# KiCad board SparkFun_Thing_Plus_ESP32-S3_panelized.kicad_pcb (continued)
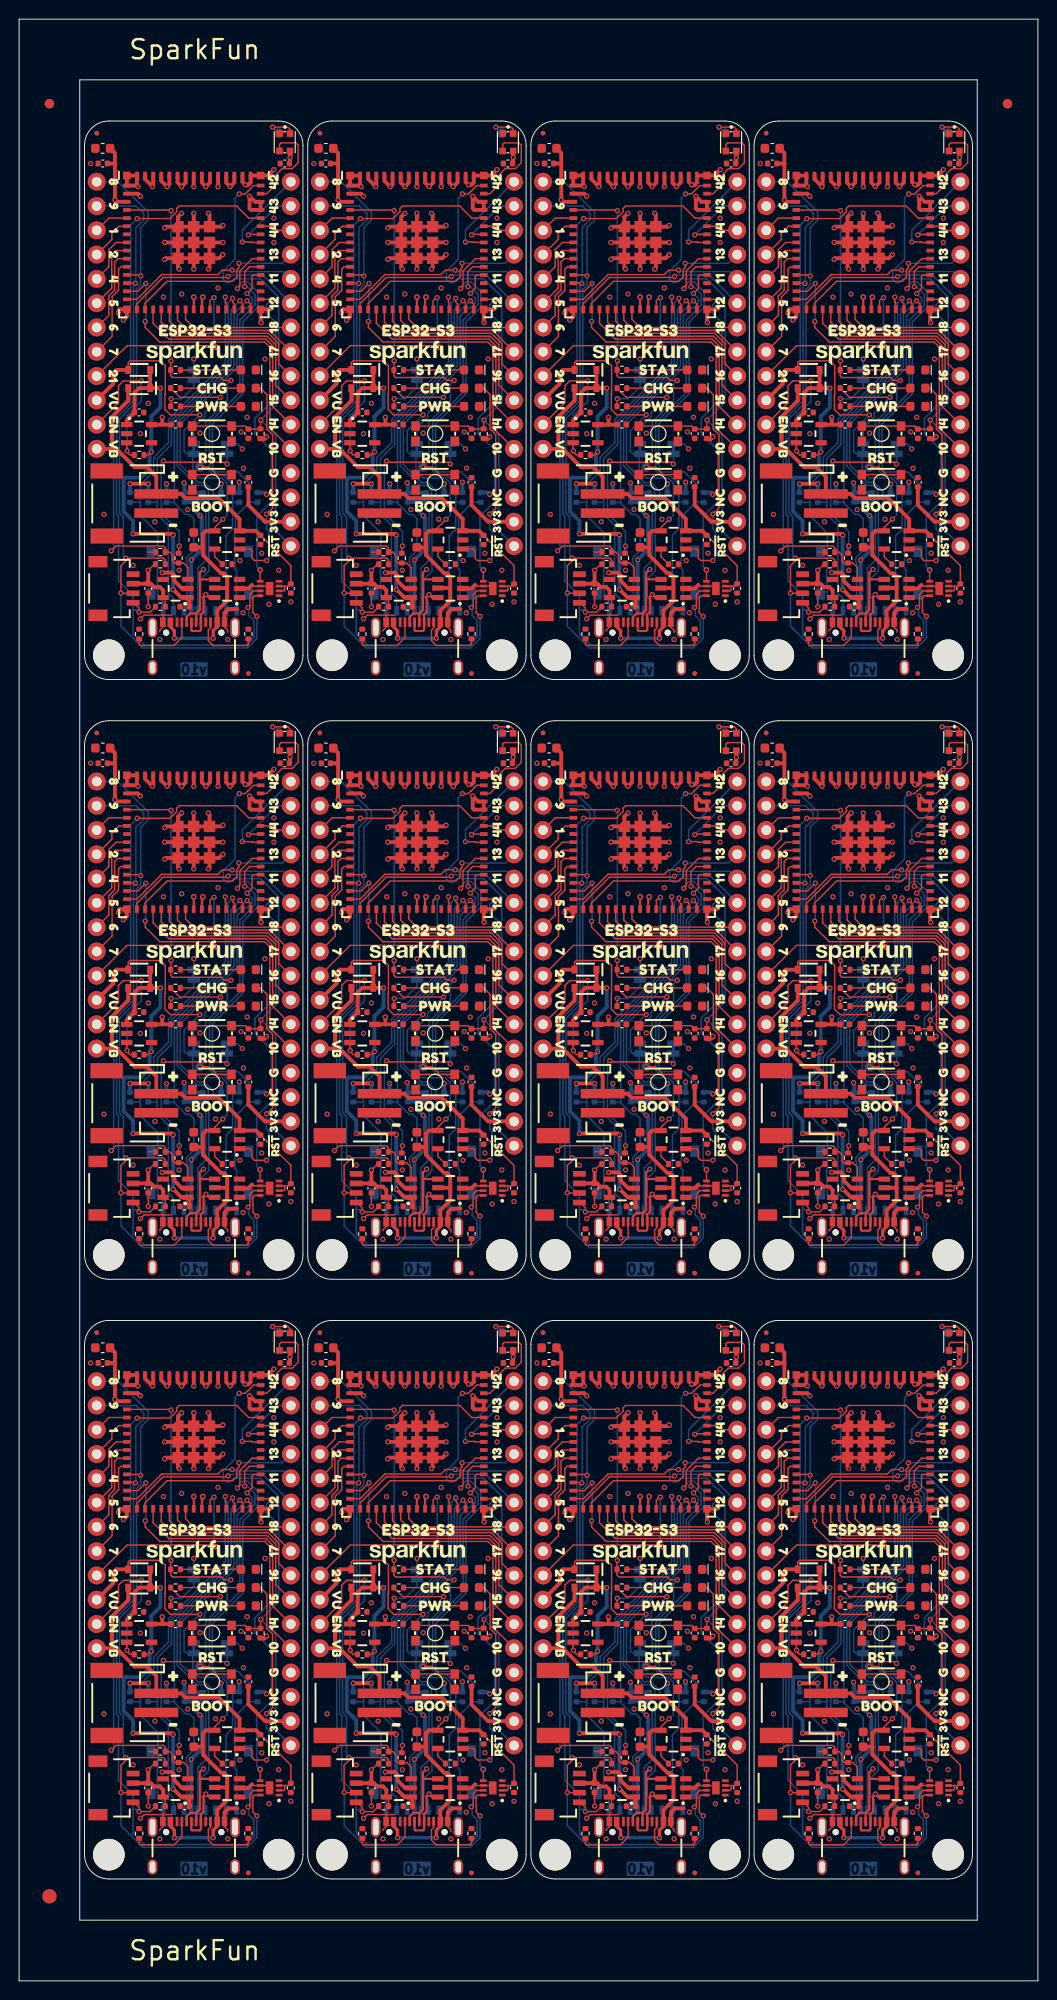
[diagram p0: board, top side]
## Placement (name value [footprint] x y rotation side) (continued)
J1#12  USB_C_Receptacle  [USB-C-16P]  18.28 17.01 0 top
J2  microSD_Friction  [microSD_Friction_Fit_Atom]  18.92 84.57 180 bottom
J2#2  microSD_Friction  [microSD_Friction_Fit_Atom]  18.92 147.3 180 bottom
J2#3  microSD_Friction  [microSD_Friction_Fit_Atom]  42.28 21.84 180 bottom
J2#4  microSD_Friction  [microSD_Friction_Fit_Atom]  89 147.3 180 bottom
J2#5  microSD_Friction  [microSD_Friction_Fit_Atom]  65.63 84.57 180 bottom
J2#6  microSD_Friction  [microSD_Friction_Fit_Atom]  65.63 147.3 180 bottom
J2#7  microSD_Friction  [microSD_Friction_Fit_Atom]  89 21.84 180 bottom
J2#8  microSD_Friction  [microSD_Friction_Fit_Atom]  89 84.57 180 bottom
J2#9  microSD_Friction  [microSD_Friction_Fit_Atom]  42.28 147.3 180 bottom
J2#10  microSD_Friction  [microSD_Friction_Fit_Atom]  42.28 84.57 180 bottom
J2#11  microSD_Friction  [microSD_Friction_Fit_Atom]  65.63 21.84 180 bottom
J2#12  microSD_Friction  [microSD_Friction_Fit_Atom]  18.92 21.84 180 bottom
J3  JST_2mm_LiPo  [JST-2-SMD]  10.66 91.81 90 top
J3#2  JST_2mm_LiPo  [JST-2-SMD]  34.02 91.81 90 top
J3#3  JST_2mm_LiPo  [JST-2-SMD]  10.66 154.53 90 top
J3#4  JST_2mm_LiPo  [JST-2-SMD]  34.02 29.07 90 top
J3#5  JST_2mm_LiPo  [JST-2-SMD]  57.38 29.07 90 top
J3#6  JST_2mm_LiPo  [JST-2-SMD]  80.74 29.07 90 top
J3#7  JST_2mm_LiPo  [JST-2-SMD]  57.38 154.53 90 top
J3#8  JST_2mm_LiPo  [JST-2-SMD]  80.74 154.53 90 top
J3#9  JST_2mm_LiPo  [JST-2-SMD]  34.02 154.53 90 top
J3#10  JST_2mm_LiPo  [JST-2-SMD]  80.74 91.81 90 top
J3#11  JST_2mm_LiPo  [JST-2-SMD]  57.38 91.81 90 top
J3#12  JST_2mm_LiPo  [JST-2-SMD]  10.66 29.07 90 top
J4  Qwiic_Vertical  [JST04_1MM_RA]  11.93 145.65 270 top
J4#2  Qwiic_Vertical  [JST04_1MM_RA]  35.29 82.92 270 top
J4#3  Qwiic_Vertical  [JST04_1MM_RA]  58.65 82.92 270 top
J4#4  Qwiic_Vertical  [JST04_1MM_RA]  82.01 145.65 270 top
J4#5  Qwiic_Vertical  [JST04_1MM_RA]  11.93 82.92 270 top
J4#6  Qwiic_Vertical  [JST04_1MM_RA]  35.29 20.19 270 top
J4#7  Qwiic_Vertical  [JST04_1MM_RA]  35.29 145.65 270 top
J4#8  Qwiic_Vertical  [JST04_1MM_RA]  58.65 20.19 270 top
J4#9  Qwiic_Vertical  [JST04_1MM_RA]  58.65 145.65 270 top
J4#10  Qwiic_Vertical  [JST04_1MM_RA]  82.01 82.92 270 top
J4#11  Qwiic_Vertical  [JST04_1MM_RA]  82.01 20.19 270 top
J4#12  Qwiic_Vertical  [JST04_1MM_RA]  11.93 20.19 270 top
JP1  PWR  [SMT-JUMPER_2_NC_TRACE_SILK]  18.28 167.98 90 bottom
JP1#2  PWR  [SMT-JUMPER_2_NC_TRACE_SILK]  41.64 105.25 90 bottom
JP1#3  PWR  [SMT-JUMPER_2_NC_TRACE_SILK]  18.28 105.25 90 bottom
JP1#4  PWR  [SMT-JUMPER_2_NC_TRACE_SILK]  41.64 42.52 90 bottom
JP1#5  PWR  [SMT-JUMPER_2_NC_TRACE_SILK]  65 42.52 90 bottom
JP1#6  PWR  [SMT-JUMPER_2_NC_TRACE_SILK]  65 105.25 90 bottom
JP1#7  PWR  [SMT-JUMPER_2_NC_TRACE_SILK]  65 167.98 90 bottom
JP1#8  PWR  [SMT-JUMPER_2_NC_TRACE_SILK]  88.36 167.98 90 bottom
JP1#9  PWR  [SMT-JUMPER_2_NC_TRACE_SILK]  88.36 42.52 90 bottom
JP1#10  PWR  [SMT-JUMPER_2_NC_TRACE_SILK]  41.64 167.98 90 bottom
JP1#11  PWR  [SMT-JUMPER_2_NC_TRACE_SILK]  88.36 105.25 90 bottom
JP1#12  PWR  [SMT-JUMPER_2_NC_TRACE_SILK]  18.28 42.52 90 bottom
JP2  LP_CTL  [SMT-JUMPER_2_NC_TRACE_SILK]  45.13 97.52 90 bottom
JP2#2  LP_CTL  [SMT-JUMPER_2_NC_TRACE_SILK]  21.77 160.25 90 bottom
JP2#3  LP_CTL  [SMT-JUMPER_2_NC_TRACE_SILK]  45.13 34.79 90 bottom
JP2#4  LP_CTL  [SMT-JUMPER_2_NC_TRACE_SILK]  21.77 97.52 90 bottom
JP2#5  LP_CTL  [SMT-JUMPER_2_NC_TRACE_SILK]  91.85 97.52 90 bottom
JP2#6  LP_CTL  [SMT-JUMPER_2_NC_TRACE_SILK]  68.49 34.79 90 bottom
JP2#7  LP_CTL  [SMT-JUMPER_2_NC_TRACE_SILK]  45.13 160.25 90 bottom
JP2#8  LP_CTL  [SMT-JUMPER_2_NC_TRACE_SILK]  68.49 160.25 90 bottom
JP2#9  LP_CTL  [SMT-JUMPER_2_NC_TRACE_SILK]  68.49 97.52 90 bottom
JP2#10  LP_CTL  [SMT-JUMPER_2_NC_TRACE_SILK]  91.85 34.79 90 bottom
JP2#11  LP_CTL  [SMT-JUMPER_2_NC_TRACE_SILK]  91.85 160.25 90 bottom
JP2#12  LP_CTL  [SMT-JUMPER_2_NC_TRACE_SILK]  21.77 34.79 90 bottom
JP3  CHG  [SMT-JUMPER_2_NC_TRACE_SILK]  41.64 34.79 270 bottom
JP3#2  CHG  [SMT-JUMPER_2_NC_TRACE_SILK]  88.36 97.52 270 bottom
JP3#3  CHG  [SMT-JUMPER_2_NC_TRACE_SILK]  65 97.52 270 bottom
JP3#4  CHG  [SMT-JUMPER_2_NC_TRACE_SILK]  18.28 160.25 270 bottom
JP3#5  CHG  [SMT-JUMPER_2_NC_TRACE_SILK]  65 34.79 270 bottom
JP3#6  CHG  [SMT-JUMPER_2_NC_TRACE_SILK]  18.28 97.52 270 bottom
JP3#7  CHG  [SMT-JUMPER_2_NC_TRACE_SILK]  41.64 160.25 270 bottom
JP3#8  CHG  [SMT-JUMPER_2_NC_TRACE_SILK]  65 160.25 270 bottom
JP3#9  CHG  [SMT-JUMPER_2_NC_TRACE_SILK]  88.36 34.79 270 bottom
JP3#10  CHG  [SMT-JUMPER_2_NC_TRACE_SILK]  41.64 97.52 270 bottom
JP3#11  CHG  [SMT-JUMPER_2_NC_TRACE_SILK]  88.36 160.25 270 bottom
JP3#12  CHG  [SMT-JUMPER_2_NC_TRACE_SILK]  18.28 34.79 270 bottom
kibuzzard-65A99A9C  G***  [kibuzzard-65A99A9C]  86.2 94.6 0 top
kibuzzard-65A99A9C#2  G***  [kibuzzard-65A99A9C]  86.2 157.33 0 top
kibuzzard-65A99A9C#3  G***  [kibuzzard-65A99A9C]  62.84 94.6 0 top
kibuzzard-65A99A9C#4  G***  [kibuzzard-65A99A9C]  16.12 157.33 0 top
kibuzzard-65A99A9C#5  G***  [kibuzzard-65A99A9C]  39.48 31.87 0 top
kibuzzard-65A99A9C#6  G***  [kibuzzard-65A99A9C]  39.48 157.33 0 top
kibuzzard-65A99A9C#7  G***  [kibuzzard-65A99A9C]  16.12 94.6 0 top
kibuzzard-65A99A9C#8  G***  [kibuzzard-65A99A9C]  39.48 94.6 0 top
kibuzzard-65A99A9C#9  G***  [kibuzzard-65A99A9C]  62.84 31.87 0 top
kibuzzard-65A99A9C#10  G***  [kibuzzard-65A99A9C]  62.84 157.33 0 top
kibuzzard-65A99A9C#11  G***  [kibuzzard-65A99A9C]  86.2 31.87 0 top
kibuzzard-65A99A9C#12  G***  [kibuzzard-65A99A9C]  16.12 31.87 0 top
kibuzzard-65A99AA3  G***  [kibuzzard-65A99AA3]  39.48 152.25 0 top
kibuzzard-65A99AA3#2  G***  [kibuzzard-65A99AA3]  16.12 152.25 0 top
kibuzzard-65A99AA3#3  G***  [kibuzzard-65A99AA3]  86.2 89.52 0 top
kibuzzard-65A99AA3#4  G***  [kibuzzard-65A99AA3]  86.2 26.79 0 top
kibuzzard-65A99AA3#5  G***  [kibuzzard-65A99AA3]  39.48 89.52 0 top
kibuzzard-65A99AA3#6  G***  [kibuzzard-65A99AA3]  16.12 89.52 0 top
kibuzzard-65A99AA3#7  G***  [kibuzzard-65A99AA3]  39.48 26.79 0 top
kibuzzard-65A99AA3#8  G***  [kibuzzard-65A99AA3]  62.84 26.79 0 top
kibuzzard-65A99AA3#9  G***  [kibuzzard-65A99AA3]  62.84 89.52 0 top
kibuzzard-65A99AA3#10  G***  [kibuzzard-65A99AA3]  62.84 152.25 0 top
kibuzzard-65A99AA3#11  G***  [kibuzzard-65A99AA3]  86.2 152.25 0 top
kibuzzard-65A99AA3#12  G***  [kibuzzard-65A99AA3]  16.12 26.79 0 top
kibuzzard-65A99E72  G***  [kibuzzard-65A99E72]  89 25.65 180 bottom
kibuzzard-65A99E72#2  G***  [kibuzzard-65A99E72]  18.92 88.38 180 bottom
kibuzzard-65A99E72#3  G***  [kibuzzard-65A99E72]  65.63 151.11 180 bottom
kibuzzard-65A99E72#4  G***  [kibuzzard-65A99E72]  89 88.38 180 bottom
kibuzzard-65A99E72#5  G***  [kibuzzard-65A99E72]  42.28 151.11 180 bottom
kibuzzard-65A99E72#6  G***  [kibuzzard-65A99E72]  65.63 25.65 180 bottom
kibuzzard-65A99E72#7  G***  [kibuzzard-65A99E72]  65.63 88.38 180 bottom
kibuzzard-65A99E72#8  G***  [kibuzzard-65A99E72]  18.92 151.11 180 bottom
kibuzzard-65A99E72#9  G***  [kibuzzard-65A99E72]  42.28 88.38 180 bottom
kibuzzard-65A99E72#10  G***  [kibuzzard-65A99E72]  42.28 25.65 180 bottom
kibuzzard-65A99E72#11  G***  [kibuzzard-65A99E72]  89 151.11 180 bottom
kibuzzard-65A99E72#12  G***  [kibuzzard-65A99E72]  18.92 25.65 180 bottom
kibuzzard-65A403E0  G***  [kibuzzard-65A403E0]  18.28 127.37 180 bottom
kibuzzard-65A403E0#2  G***  [kibuzzard-65A403E0]  18.28 190.09 180 bottom
kibuzzard-65A403E0#3  G***  [kibuzzard-65A403E0]  41.64 64.64 180 bottom
kibuzzard-65A403E0#4  G***  [kibuzzard-65A403E0]  41.64 127.37 180 bottom
kibuzzard-65A403E0#5  G***  [kibuzzard-65A403E0]  41.64 190.09 180 bottom
kibuzzard-65A403E0#6  G***  [kibuzzard-65A403E0]  65 127.37 180 bottom
kibuzzard-65A403E0#7  G***  [kibuzzard-65A403E0]  88.36 190.09 180 bottom
kibuzzard-65A403E0#8  G***  [kibuzzard-65A403E0]  65 190.09 180 bottom
kibuzzard-65A403E0#9  G***  [kibuzzard-65A403E0]  88.36 64.64 180 bottom
kibuzzard-65A403E0#10  G***  [kibuzzard-65A403E0]  65 64.64 180 bottom
kibuzzard-65A403E0#11  G***  [kibuzzard-65A403E0]  88.36 127.37 180 bottom
kibuzzard-65A403E0#12  G***  [kibuzzard-65A403E0]  18.28 64.64 180 bottom
kibuzzard-65A992E3  G***  [kibuzzard-65A992E3]  98.52 84.82 270 bottom
kibuzzard-65A992E3#2  G***  [kibuzzard-65A992E3]  98.52 22.09 270 bottom
kibuzzard-65A992E3#3  G***  [kibuzzard-65A992E3]  98.52 147.55 270 bottom
kibuzzard-65A992E3#4  G***  [kibuzzard-65A992E3]  75.16 147.55 270 bottom
kibuzzard-65A992E3#5  G***  [kibuzzard-65A992E3]  75.16 22.09 270 bottom
kibuzzard-65A992E3#6  G***  [kibuzzard-65A992E3]  51.8 147.55 270 bottom
kibuzzard-65A992E3#7  G***  [kibuzzard-65A992E3]  51.8 84.82 270 bottom
kibuzzard-65A992E3#8  G***  [kibuzzard-65A992E3]  28.44 147.55 270 bottom
kibuzzard-65A992E3#9  G***  [kibuzzard-65A992E3]  28.44 84.82 270 bottom
kibuzzard-65A992E3#10  G***  [kibuzzard-65A992E3]  51.8 22.09 270 bottom
kibuzzard-65A992E3#11  G***  [kibuzzard-65A992E3]  75.16 84.82 270 bottom
kibuzzard-65A992E3#12  G***  [kibuzzard-65A992E3]  28.44 22.09 270 bottom
kibuzzard-65A9923A  G***  [kibuzzard-65A9923A]  72.94 125.46 180 bottom
kibuzzard-65A9923A#2  G***  [kibuzzard-65A9923A]  49.58 62.73 180 bottom
kibuzzard-65A9923A#3  G***  [kibuzzard-65A9923A]  49.58 125.46 180 bottom
kibuzzard-65A9923A#4  G***  [kibuzzard-65A9923A]  26.22 188.19 180 bottom
kibuzzard-65A9923A#5  G***  [kibuzzard-65A9923A]  49.58 188.19 180 bottom
kibuzzard-65A9923A#6  G***  [kibuzzard-65A9923A]  26.22 125.46 180 bottom
kibuzzard-65A9923A#7  G***  [kibuzzard-65A9923A]  72.94 62.73 180 bottom
kibuzzard-65A9923A#8  G***  [kibuzzard-65A9923A]  96.3 62.73 180 bottom
kibuzzard-65A9923A#9  G***  [kibuzzard-65A9923A]  72.94 188.19 180 bottom
kibuzzard-65A9923A#10  G***  [kibuzzard-65A9923A]  96.3 125.46 180 bottom
kibuzzard-65A9923A#11  G***  [kibuzzard-65A9923A]  96.3 188.19 180 bottom
kibuzzard-65A9923A#12  G***  [kibuzzard-65A9923A]  26.22 62.73 180 bottom
kibuzzard-65A9926C  G***  [kibuzzard-65A9926C]  94.71 55.11 180 bottom
kibuzzard-65A9926C#2  G***  [kibuzzard-65A9926C]  71.35 117.84 180 bottom
kibuzzard-65A9926C#3  G***  [kibuzzard-65A9926C]  47.99 55.11 180 bottom
kibuzzard-65A9926C#4  G***  [kibuzzard-65A9926C]  71.35 55.11 180 bottom
kibuzzard-65A9926C#5  G***  [kibuzzard-65A9926C]  71.35 180.57 180 bottom
kibuzzard-65A9926C#6  G***  [kibuzzard-65A9926C]  24.63 117.84 180 bottom
kibuzzard-65A9926C#7  G***  [kibuzzard-65A9926C]  94.71 117.84 180 bottom
kibuzzard-65A9926C#8  G***  [kibuzzard-65A9926C]  94.71 180.57 180 bottom
kibuzzard-65A9926C#9  G***  [kibuzzard-65A9926C]  24.63 180.57 180 bottom
kibuzzard-65A9926C#10  G***  [kibuzzard-65A9926C]  47.99 180.57 180 bottom
kibuzzard-65A9926C#11  G***  [kibuzzard-65A9926C]  47.99 117.84 180 bottom
kibuzzard-65A9926C#12  G***  [kibuzzard-65A9926C]  24.63 55.11 180 bottom
kibuzzard-65A9926F  G***  [kibuzzard-65A9926F]  71.48 115.3 180 bottom
kibuzzard-65A9926F#2  G***  [kibuzzard-65A9926F]  94.84 52.57 180 bottom
kibuzzard-65A9926F#3  G***  [kibuzzard-65A9926F]  24.76 115.3 180 bottom
kibuzzard-65A9926F#4  G***  [kibuzzard-65A9926F]  48.12 115.3 180 bottom
kibuzzard-65A9926F#5  G***  [kibuzzard-65A9926F]  48.12 178.03 180 bottom
kibuzzard-65A9926F#6  G***  [kibuzzard-65A9926F]  71.48 52.57 180 bottom
kibuzzard-65A9926F#7  G***  [kibuzzard-65A9926F]  24.76 178.03 180 bottom
kibuzzard-65A9926F#8  G***  [kibuzzard-65A9926F]  48.12 52.57 180 bottom
kibuzzard-65A9926F#9  G***  [kibuzzard-65A9926F]  71.48 178.03 180 bottom
kibuzzard-65A9926F#10  G***  [kibuzzard-65A9926F]  94.84 115.3 180 bottom
kibuzzard-65A9926F#11  G***  [kibuzzard-65A9926F]  94.84 178.03 180 bottom
kibuzzard-65A9926F#12  G***  [kibuzzard-65A9926F]  24.76 52.57 180 bottom
kibuzzard-65A9927C  G***  [kibuzzard-65A9927C]  73.13 44.95 180 bottom
kibuzzard-65A9927C#2  G***  [kibuzzard-65A9927C]  49.77 170.41 180 bottom
kibuzzard-65A9927C#3  G***  [kibuzzard-65A9927C]  26.41 107.68 180 bottom
kibuzzard-65A9927C#4  G***  [kibuzzard-65A9927C]  96.49 170.41 180 bottom
kibuzzard-65A9927C#5  G***  [kibuzzard-65A9927C]  96.49 107.68 180 bottom
kibuzzard-65A9927C#6  G***  [kibuzzard-65A9927C]  49.77 107.68 180 bottom
kibuzzard-65A9927C#7  G***  [kibuzzard-65A9927C]  49.77 44.95 180 bottom
kibuzzard-65A9927C#8  G***  [kibuzzard-65A9927C]  73.13 107.68 180 bottom
kibuzzard-65A9927C#9  G***  [kibuzzard-65A9927C]  73.13 170.41 180 bottom
kibuzzard-65A9927C#10  G***  [kibuzzard-65A9927C]  96.49 44.95 180 bottom
kibuzzard-65A9927C#11  G***  [kibuzzard-65A9927C]  26.41 170.41 180 bottom
kibuzzard-65A9927C#12  G***  [kibuzzard-65A9927C]  26.41 44.95 180 bottom
kibuzzard-65A9927F  G***  [kibuzzard-65A9927F]  49.77 42.41 180 bottom
kibuzzard-65A9927F#2  G***  [kibuzzard-65A9927F]  26.41 105.14 180 bottom
kibuzzard-65A9927F#3  G***  [kibuzzard-65A9927F]  26.41 167.87 180 bottom
kibuzzard-65A9927F#4  G***  [kibuzzard-65A9927F]  73.13 167.87 180 bottom
kibuzzard-65A9927F#5  G***  [kibuzzard-65A9927F]  49.77 105.14 180 bottom
kibuzzard-65A9927F#6  G***  [kibuzzard-65A9927F]  49.77 167.87 180 bottom
kibuzzard-65A9927F#7  G***  [kibuzzard-65A9927F]  73.13 42.41 180 bottom
kibuzzard-65A9927F#8  G***  [kibuzzard-65A9927F]  73.13 105.14 180 bottom
kibuzzard-65A9927F#9  G***  [kibuzzard-65A9927F]  96.49 42.41 180 bottom
kibuzzard-65A9927F#10  G***  [kibuzzard-65A9927F]  96.49 167.87 180 bottom
kibuzzard-65A9927F#11  G***  [kibuzzard-65A9927F]  96.49 105.14 180 bottom
kibuzzard-65A9927F#12  G***  [kibuzzard-65A9927F]  26.41 42.41 180 bottom
kibuzzard-65A9928A  G***  [kibuzzard-65A9928A]  26.28 160.25 180 bottom
kibuzzard-65A9928A#2  G***  [kibuzzard-65A9928A]  49.64 34.79 180 bottom
kibuzzard-65A9928A#3  G***  [kibuzzard-65A9928A]  49.64 160.25 180 bottom
kibuzzard-65A9928A#4  G***  [kibuzzard-65A9928A]  26.28 97.52 180 bottom
kibuzzard-65A9928A#5  G***  [kibuzzard-65A9928A]  49.64 97.52 180 bottom
kibuzzard-65A9928A#6  G***  [kibuzzard-65A9928A]  73 160.25 180 bottom
kibuzzard-65A9928A#7  G***  [kibuzzard-65A9928A]  73 97.52 180 bottom
kibuzzard-65A9928A#8  G***  [kibuzzard-65A9928A]  96.36 34.79 180 bottom
kibuzzard-65A9928A#9  G***  [kibuzzard-65A9928A]  96.36 160.25 180 bottom
kibuzzard-65A9928A#10  G***  [kibuzzard-65A9928A]  73 34.79 180 bottom
kibuzzard-65A9928A#11  G***  [kibuzzard-65A9928A]  96.36 97.52 180 bottom
kibuzzard-65A9928A#12  G***  [kibuzzard-65A9928A]  26.28 34.79 180 bottom
kibuzzard-65A9928E  G***  [kibuzzard-65A9928E]  49.39 32.25 180 bottom
kibuzzard-65A9928E#2  G***  [kibuzzard-65A9928E]  49.39 157.71 180 bottom
kibuzzard-65A9928E#3  G***  [kibuzzard-65A9928E]  96.11 94.98 180 bottom
kibuzzard-65A9928E#4  G***  [kibuzzard-65A9928E]  26.03 94.98 180 bottom
kibuzzard-65A9928E#5  G***  [kibuzzard-65A9928E]  26.03 157.71 180 bottom
kibuzzard-65A9928E#6  G***  [kibuzzard-65A9928E]  49.39 94.98 180 bottom
kibuzzard-65A9928E#7  G***  [kibuzzard-65A9928E]  72.75 32.25 180 bottom
kibuzzard-65A9928E#8  G***  [kibuzzard-65A9928E]  72.75 94.98 180 bottom
kibuzzard-65A9928E#9  G***  [kibuzzard-65A9928E]  72.75 157.71 180 bottom
kibuzzard-65A9928E#10  G***  [kibuzzard-65A9928E]  96.11 32.25 180 bottom
kibuzzard-65A9928E#11  G***  [kibuzzard-65A9928E]  96.11 157.71 180 bottom
kibuzzard-65A9928E#12  G***  [kibuzzard-65A9928E]  26.03 32.25 180 bottom
kibuzzard-65A9933C  G***  [kibuzzard-65A9933C]  81.5 60.19 180 bottom
kibuzzard-65A9933C#2  G***  [kibuzzard-65A9933C]  11.42 185.65 180 bottom
kibuzzard-65A9933C#3  G***  [kibuzzard-65A9933C]  34.78 185.65 180 bottom
kibuzzard-65A9933C#4  G***  [kibuzzard-65A9933C]  58.14 122.92 180 bottom
kibuzzard-65A9933C#5  G***  [kibuzzard-65A9933C]  58.14 60.19 180 bottom
kibuzzard-65A9933C#6  G***  [kibuzzard-65A9933C]  34.78 60.19 180 bottom
kibuzzard-65A9933C#7  G***  [kibuzzard-65A9933C]  11.42 122.92 180 bottom
kibuzzard-65A9933C#8  G***  [kibuzzard-65A9933C]  34.78 122.92 180 bottom
kibuzzard-65A9933C#9  G***  [kibuzzard-65A9933C]  58.14 185.65 180 bottom
kibuzzard-65A9933C#10  G***  [kibuzzard-65A9933C]  81.5 122.92 180 bottom
kibuzzard-65A9933C#11  G***  [kibuzzard-65A9933C]  81.5 185.65 180 bottom
kibuzzard-65A9933C#12  G***  [kibuzzard-65A9933C]  11.42 60.19 180 bottom
kibuzzard-65A9934B  G***  [kibuzzard-65A9934B]  79.98 183.11 180 bottom
kibuzzard-65A9934B#2  G***  [kibuzzard-65A9934B]  33.26 183.11 180 bottom
kibuzzard-65A9934B#3  G***  [kibuzzard-65A9934B]  33.26 57.65 180 bottom
kibuzzard-65A9934B#4  G***  [kibuzzard-65A9934B]  56.62 57.65 180 bottom
kibuzzard-65A9934B#5  G***  [kibuzzard-65A9934B]  9.9 120.38 180 bottom
kibuzzard-65A9934B#6  G***  [kibuzzard-65A9934B]  56.62 183.11 180 bottom
kibuzzard-65A9934B#7  G***  [kibuzzard-65A9934B]  33.26 120.38 180 bottom
kibuzzard-65A9934B#8  G***  [kibuzzard-65A9934B]  56.62 120.38 180 bottom
kibuzzard-65A9934B#9  G***  [kibuzzard-65A9934B]  79.98 57.65 180 bottom
kibuzzard-65A9934B#10  G***  [kibuzzard-65A9934B]  9.9 183.11 180 bottom
kibuzzard-65A9934B#11  G***  [kibuzzard-65A9934B]  79.98 120.38 180 bottom
kibuzzard-65A9934B#12  G***  [kibuzzard-65A9934B]  9.9 57.65 180 bottom
kibuzzard-65A9935C  G***  [kibuzzard-65A9935C]  56.75 170.41 180 bottom
kibuzzard-65A9935C#2  G***  [kibuzzard-65A9935C]  33.38 107.68 180 bottom
kibuzzard-65A9935C#3  G***  [kibuzzard-65A9935C]  56.75 107.68 180 bottom
kibuzzard-65A9935C#4  G***  [kibuzzard-65A9935C]  10.03 107.68 180 bottom
kibuzzard-65A9935C#5  G***  [kibuzzard-65A9935C]  33.38 170.41 180 bottom
kibuzzard-65A9935C#6  G***  [kibuzzard-65A9935C]  56.75 44.95 180 bottom
kibuzzard-65A9935C#7  G***  [kibuzzard-65A9935C]  80.1 170.41 180 bottom
kibuzzard-65A9935C#8  G***  [kibuzzard-65A9935C]  10.03 170.41 180 bottom
kibuzzard-65A9935C#9  G***  [kibuzzard-65A9935C]  33.38 44.95 180 bottom
kibuzzard-65A9935C#10  G***  [kibuzzard-65A9935C]  80.1 44.95 180 bottom
kibuzzard-65A9935C#11  G***  [kibuzzard-65A9935C]  80.1 107.68 180 bottom
kibuzzard-65A9935C#12  G***  [kibuzzard-65A9935C]  10.03 44.95 180 bottom
kibuzzard-65A9936B  G***  [kibuzzard-65A9936B]  34.78 34.79 180 bottom
kibuzzard-65A9936B#2  G***  [kibuzzard-65A9936B]  58.14 97.52 180 bottom
kibuzzard-65A9936B#3  G***  [kibuzzard-65A9936B]  34.78 97.52 180 bottom
kibuzzard-65A9936B#4  G***  [kibuzzard-65A9936B]  11.42 97.52 180 bottom
kibuzzard-65A9936B#5  G***  [kibuzzard-65A9936B]  11.42 160.25 180 bottom
kibuzzard-65A9936B#6  G***  [kibuzzard-65A9936B]  34.78 160.25 180 bottom
kibuzzard-65A9936B#7  G***  [kibuzzard-65A9936B]  58.14 34.79 180 bottom
kibuzzard-65A9936B#8  G***  [kibuzzard-65A9936B]  58.14 160.25 180 bottom
kibuzzard-65A9936B#9  G***  [kibuzzard-65A9936B]  81.5 160.25 180 bottom
kibuzzard-65A9936B#10  G***  [kibuzzard-65A9936B]  81.5 34.79 180 bottom
kibuzzard-65A9936B#11  G***  [kibuzzard-65A9936B]  81.5 97.52 180 bottom
kibuzzard-65A9936B#12  G***  [kibuzzard-65A9936B]  11.42 34.79 180 bottom
kibuzzard-65A9990D  G***  [kibuzzard-65A9990D]  9.9 102.6 270 top
kibuzzard-65A9990D#2  G***  [kibuzzard-65A9990D]  33.26 102.6 270 top
kibuzzard-65A9990D#3  G***  [kibuzzard-65A9990D]  79.98 102.6 270 top
kibuzzard-65A9990D#4  G***  [kibuzzard-65A9990D]  9.9 165.33 270 top
kibuzzard-65A9990D#5  G***  [kibuzzard-65A9990D]  56.62 102.6 270 top
kibuzzard-65A9990D#6  G***  [kibuzzard-65A9990D]  33.26 39.87 270 top
kibuzzard-65A9990D#7  G***  [kibuzzard-65A9990D]  56.62 39.87 270 top
kibuzzard-65A9990D#8  G***  [kibuzzard-65A9990D]  79.98 165.33 270 top
kibuzzard-65A9990D#9  G***  [kibuzzard-65A9990D]  33.26 165.33 270 top
kibuzzard-65A9990D#10  G***  [kibuzzard-65A9990D]  56.62 165.33 270 top
kibuzzard-65A9990D#11  G***  [kibuzzard-65A9990D]  79.98 39.87 270 top
kibuzzard-65A9990D#12  G***  [kibuzzard-65A9990D]  9.9 39.87 270 top
kibuzzard-65A99252  G***  [kibuzzard-65A99252]  94.71 185.65 180 bottom
kibuzzard-65A99252#2  G***  [kibuzzard-65A99252]  24.63 122.92 180 bottom
kibuzzard-65A99252#3  G***  [kibuzzard-65A99252]  47.99 122.92 180 bottom
kibuzzard-65A99252#4  G***  [kibuzzard-65A99252]  71.35 60.19 180 bottom
kibuzzard-65A99252#5  G***  [kibuzzard-65A99252]  94.71 60.19 180 bottom
kibuzzard-65A99252#6  G***  [kibuzzard-65A99252]  24.63 185.65 180 bottom
kibuzzard-65A99252#7  G***  [kibuzzard-65A99252]  47.99 185.65 180 bottom
kibuzzard-65A99252#8  G***  [kibuzzard-65A99252]  71.35 185.65 180 bottom
kibuzzard-65A99252#9  G***  [kibuzzard-65A99252]  71.35 122.92 180 bottom
kibuzzard-65A99252#10  G***  [kibuzzard-65A99252]  94.71 122.92 180 bottom
kibuzzard-65A99252#11  G***  [kibuzzard-65A99252]  47.99 60.19 180 bottom
kibuzzard-65A99252#12  G***  [kibuzzard-65A99252]  24.63 60.19 180 bottom
kibuzzard-65A99268  G***  [kibuzzard-65A99268]  71.6 57.65 180 bottom
kibuzzard-65A99268#2  G***  [kibuzzard-65A99268]  24.88 120.38 180 bottom
kibuzzard-65A99268#3  G***  [kibuzzard-65A99268]  48.24 183.11 180 bottom
kibuzzard-65A99268#4  G***  [kibuzzard-65A99268]  71.6 120.38 180 bottom
kibuzzard-65A99268#5  G***  [kibuzzard-65A99268]  24.88 183.11 180 bottom
kibuzzard-65A99268#6  G***  [kibuzzard-65A99268]  48.24 57.65 180 bottom
kibuzzard-65A99268#7  G***  [kibuzzard-65A99268]  48.24 120.38 180 bottom
kibuzzard-65A99268#8  G***  [kibuzzard-65A99268]  94.96 57.65 180 bottom
kibuzzard-65A99268#9  G***  [kibuzzard-65A99268]  94.96 120.38 180 bottom
kibuzzard-65A99268#10  G***  [kibuzzard-65A99268]  94.96 183.11 180 bottom
kibuzzard-65A99268#11  G***  [kibuzzard-65A99268]  71.6 183.11 180 bottom
kibuzzard-65A99268#12  G***  [kibuzzard-65A99268]  24.88 57.65 180 bottom
kibuzzard-65A99274  G***  [kibuzzard-65A99274]  24.88 112.76 180 bottom
kibuzzard-65A99274#2  G***  [kibuzzard-65A99274]  24.88 175.49 180 bottom
kibuzzard-65A99274#3  G***  [kibuzzard-65A99274]  48.24 175.49 180 bottom
kibuzzard-65A99274#4  G***  [kibuzzard-65A99274]  71.6 175.49 180 bottom
kibuzzard-65A99274#5  G***  [kibuzzard-65A99274]  71.6 50.03 180 bottom
kibuzzard-65A99274#6  G***  [kibuzzard-65A99274]  94.96 50.03 180 bottom
kibuzzard-65A99274#7  G***  [kibuzzard-65A99274]  94.96 112.76 180 bottom
kibuzzard-65A99274#8  G***  [kibuzzard-65A99274]  48.24 50.03 180 bottom
kibuzzard-65A99274#9  G***  [kibuzzard-65A99274]  48.24 112.76 180 bottom
kibuzzard-65A99274#10  G***  [kibuzzard-65A99274]  71.6 112.76 180 bottom
kibuzzard-65A99274#11  G***  [kibuzzard-65A99274]  94.96 175.49 180 bottom
kibuzzard-65A99274#12  G***  [kibuzzard-65A99274]  24.88 50.03 180 bottom
kibuzzard-65A99278  G***  [kibuzzard-65A99278]  96.49 110.22 180 bottom
kibuzzard-65A99278#2  G***  [kibuzzard-65A99278]  26.41 110.22 180 bottom
kibuzzard-65A99278#3  G***  [kibuzzard-65A99278]  26.41 172.95 180 bottom
kibuzzard-65A99278#4  G***  [kibuzzard-65A99278]  49.77 110.22 180 bottom
kibuzzard-65A99278#5  G***  [kibuzzard-65A99278]  73.13 110.22 180 bottom
kibuzzard-65A99278#6  G***  [kibuzzard-65A99278]  73.13 47.49 180 bottom
kibuzzard-65A99278#7  G***  [kibuzzard-65A99278]  96.49 47.49 180 bottom
kibuzzard-65A99278#8  G***  [kibuzzard-65A99278]  49.77 47.49 180 bottom
kibuzzard-65A99278#9  G***  [kibuzzard-65A99278]  49.77 172.95 180 bottom
kibuzzard-65A99278#10  G***  [kibuzzard-65A99278]  73.13 172.95 180 bottom
kibuzzard-65A99278#11  G***  [kibuzzard-65A99278]  96.49 172.95 180 bottom
kibuzzard-65A99278#12  G***  [kibuzzard-65A99278]  26.41 47.49 180 bottom
kibuzzard-65A99283  G***  [kibuzzard-65A99283]  49.77 165.33 180 bottom
kibuzzard-65A99283#2  G***  [kibuzzard-65A99283]  73.13 165.33 180 bottom
kibuzzard-65A99283#3  G***  [kibuzzard-65A99283]  49.77 39.87 180 bottom
kibuzzard-65A99283#4  G***  [kibuzzard-65A99283]  96.49 165.33 180 bottom
kibuzzard-65A99283#5  G***  [kibuzzard-65A99283]  26.41 102.6 180 bottom
kibuzzard-65A99283#6  G***  [kibuzzard-65A99283]  26.41 165.33 180 bottom
kibuzzard-65A99283#7  G***  [kibuzzard-65A99283]  49.77 102.6 180 bottom
kibuzzard-65A99283#8  G***  [kibuzzard-65A99283]  73.13 102.6 180 bottom
kibuzzard-65A99283#9  G***  [kibuzzard-65A99283]  96.49 39.87 180 bottom
kibuzzard-65A99283#10  G***  [kibuzzard-65A99283]  96.49 102.6 180 bottom
kibuzzard-65A99283#11  G***  [kibuzzard-65A99283]  73.13 39.87 180 bottom
kibuzzard-65A99283#12  G***  [kibuzzard-65A99283]  26.41 39.87 180 bottom
kibuzzard-65A99287  G***  [kibuzzard-65A99287]  49.77 162.79 180 bottom
kibuzzard-65A99287#2  G***  [kibuzzard-65A99287]  96.49 162.79 180 bottom
kibuzzard-65A99287#3  G***  [kibuzzard-65A99287]  26.41 162.79 180 bottom
kibuzzard-65A99287#4  G***  [kibuzzard-65A99287]  26.41 100.06 180 bottom
kibuzzard-65A99287#5  G***  [kibuzzard-65A99287]  96.49 100.06 180 bottom
kibuzzard-65A99287#6  G***  [kibuzzard-65A99287]  73.13 162.79 180 bottom
kibuzzard-65A99287#7  G***  [kibuzzard-65A99287]  49.77 37.33 180 bottom
kibuzzard-65A99287#8  G***  [kibuzzard-65A99287]  73.13 100.06 180 bottom
kibuzzard-65A99287#9  G***  [kibuzzard-65A99287]  73.13 37.33 180 bottom
kibuzzard-65A99287#10  G***  [kibuzzard-65A99287]  96.49 37.33 180 bottom
kibuzzard-65A99287#11  G***  [kibuzzard-65A99287]  49.77 100.06 180 bottom
kibuzzard-65A99287#12  G***  [kibuzzard-65A99287]  26.41 37.33 180 bottom
kibuzzard-65A99292  G***  [kibuzzard-65A99292]  49.9 92.44 180 bottom
kibuzzard-65A99292#2  G***  [kibuzzard-65A99292]  73.25 92.44 180 bottom
kibuzzard-65A99292#3  G***  [kibuzzard-65A99292]  96.62 29.71 180 bottom
kibuzzard-65A99292#4  G***  [kibuzzard-65A99292]  49.9 29.71 180 bottom
kibuzzard-65A99292#5  G***  [kibuzzard-65A99292]  73.25 29.71 180 bottom
kibuzzard-65A99292#6  G***  [kibuzzard-65A99292]  26.53 155.17 180 bottom
kibuzzard-65A99292#7  G***  [kibuzzard-65A99292]  26.53 92.44 180 bottom
kibuzzard-65A99292#8  G***  [kibuzzard-65A99292]  49.9 155.17 180 bottom
kibuzzard-65A99292#9  G***  [kibuzzard-65A99292]  73.25 155.17 180 bottom
kibuzzard-65A99292#10  G***  [kibuzzard-65A99292]  96.62 92.44 180 bottom
kibuzzard-65A99292#11  G***  [kibuzzard-65A99292]  96.62 155.17 180 bottom
kibuzzard-65A99292#12  G***  [kibuzzard-65A99292]  26.53 29.71 180 bottom
kibuzzard-65A99297  G***  [kibuzzard-65A99297]  26.15 89.9 180 bottom
kibuzzard-65A99297#2  G***  [kibuzzard-65A99297]  72.87 152.63 180 bottom
kibuzzard-65A99297#3  G***  [kibuzzard-65A99297]  26.15 152.63 180 bottom
kibuzzard-65A99297#4  G***  [kibuzzard-65A99297]  49.51 89.9 180 bottom
kibuzzard-65A99297#5  G***  [kibuzzard-65A99297]  96.23 89.9 180 bottom
kibuzzard-65A99297#6  G***  [kibuzzard-65A99297]  72.87 27.17 180 bottom
kibuzzard-65A99297#7  G***  [kibuzzard-65A99297]  49.51 27.17 180 bottom
kibuzzard-65A99297#8  G***  [kibuzzard-65A99297]  96.23 152.63 180 bottom
kibuzzard-65A99297#9  G***  [kibuzzard-65A99297]  49.51 152.63 180 bottom
kibuzzard-65A99297#10  G***  [kibuzzard-65A99297]  96.23 27.17 180 bottom
kibuzzard-65A99297#11  G***  [kibuzzard-65A99297]  72.87 89.9 180 bottom
kibuzzard-65A99297#12  G***  [kibuzzard-65A99297]  26.15 27.17 180 bottom
kibuzzard-65A99335  G***  [kibuzzard-65A99335]  34.91 125.46 180 bottom
kibuzzard-65A99335#2  G***  [kibuzzard-65A99335]  58.27 62.73 180 bottom
kibuzzard-65A99335#3  G***  [kibuzzard-65A99335]  11.55 125.46 180 bottom
kibuzzard-65A99335#4  G***  [kibuzzard-65A99335]  34.91 62.73 180 bottom
kibuzzard-65A99335#5  G***  [kibuzzard-65A99335]  11.55 188.19 180 bottom
kibuzzard-65A99335#6  G***  [kibuzzard-65A99335]  34.91 188.19 180 bottom
kibuzzard-65A99335#7  G***  [kibuzzard-65A99335]  58.27 125.46 180 bottom
kibuzzard-65A99335#8  G***  [kibuzzard-65A99335]  81.63 188.19 180 bottom
kibuzzard-65A99335#9  G***  [kibuzzard-65A99335]  81.63 125.46 180 bottom
kibuzzard-65A99335#10  G***  [kibuzzard-65A99335]  58.27 188.19 180 bottom
kibuzzard-65A99335#11  G***  [kibuzzard-65A99335]  81.63 62.73 180 bottom
kibuzzard-65A99335#12  G***  [kibuzzard-65A99335]  11.55 62.73 180 bottom
kibuzzard-65A99346  G***  [kibuzzard-65A99346]  10.03 117.84 180 bottom
kibuzzard-65A99346#2  G***  [kibuzzard-65A99346]  33.38 55.11 180 bottom
kibuzzard-65A99346#3  G***  [kibuzzard-65A99346]  10.03 180.57 180 bottom
kibuzzard-65A99346#4  G***  [kibuzzard-65A99346]  33.38 117.84 180 bottom
kibuzzard-65A99346#5  G***  [kibuzzard-65A99346]  33.38 180.57 180 bottom
kibuzzard-65A99346#6  G***  [kibuzzard-65A99346]  80.1 55.11 180 bottom
kibuzzard-65A99346#7  G***  [kibuzzard-65A99346]  56.75 117.84 180 bottom
kibuzzard-65A99346#8  G***  [kibuzzard-65A99346]  80.1 117.84 180 bottom
kibuzzard-65A99346#9  G***  [kibuzzard-65A99346]  56.75 180.57 180 bottom
kibuzzard-65A99346#10  G***  [kibuzzard-65A99346]  56.75 55.11 180 bottom
kibuzzard-65A99346#11  G***  [kibuzzard-65A99346]  80.1 180.57 180 bottom
kibuzzard-65A99346#12  G***  [kibuzzard-65A99346]  10.03 55.11 180 bottom
kibuzzard-65A99350  G***  [kibuzzard-65A99350]  56.75 115.3 180 bottom
kibuzzard-65A99350#2  G***  [kibuzzard-65A99350]  10.03 115.3 180 bottom
kibuzzard-65A99350#3  G***  [kibuzzard-65A99350]  33.38 115.3 180 bottom
kibuzzard-65A99350#4  G***  [kibuzzard-65A99350]  80.1 52.57 180 bottom
kibuzzard-65A99350#5  G***  [kibuzzard-65A99350]  80.1 115.3 180 bottom
kibuzzard-65A99350#6  G***  [kibuzzard-65A99350]  56.75 52.57 180 bottom
kibuzzard-65A99350#7  G***  [kibuzzard-65A99350]  80.1 178.03 180 bottom
kibuzzard-65A99350#8  G***  [kibuzzard-65A99350]  33.38 52.57 180 bottom
kibuzzard-65A99350#9  G***  [kibuzzard-65A99350]  33.38 178.03 180 bottom
kibuzzard-65A99350#10  G***  [kibuzzard-65A99350]  10.03 178.03 180 bottom
kibuzzard-65A99350#11  G***  [kibuzzard-65A99350]  56.75 178.03 180 bottom
kibuzzard-65A99350#12  G***  [kibuzzard-65A99350]  10.03 52.57 180 bottom
